# Altium PCB Controller_PCB.PcbDoc (part 2 of 3) (continued)
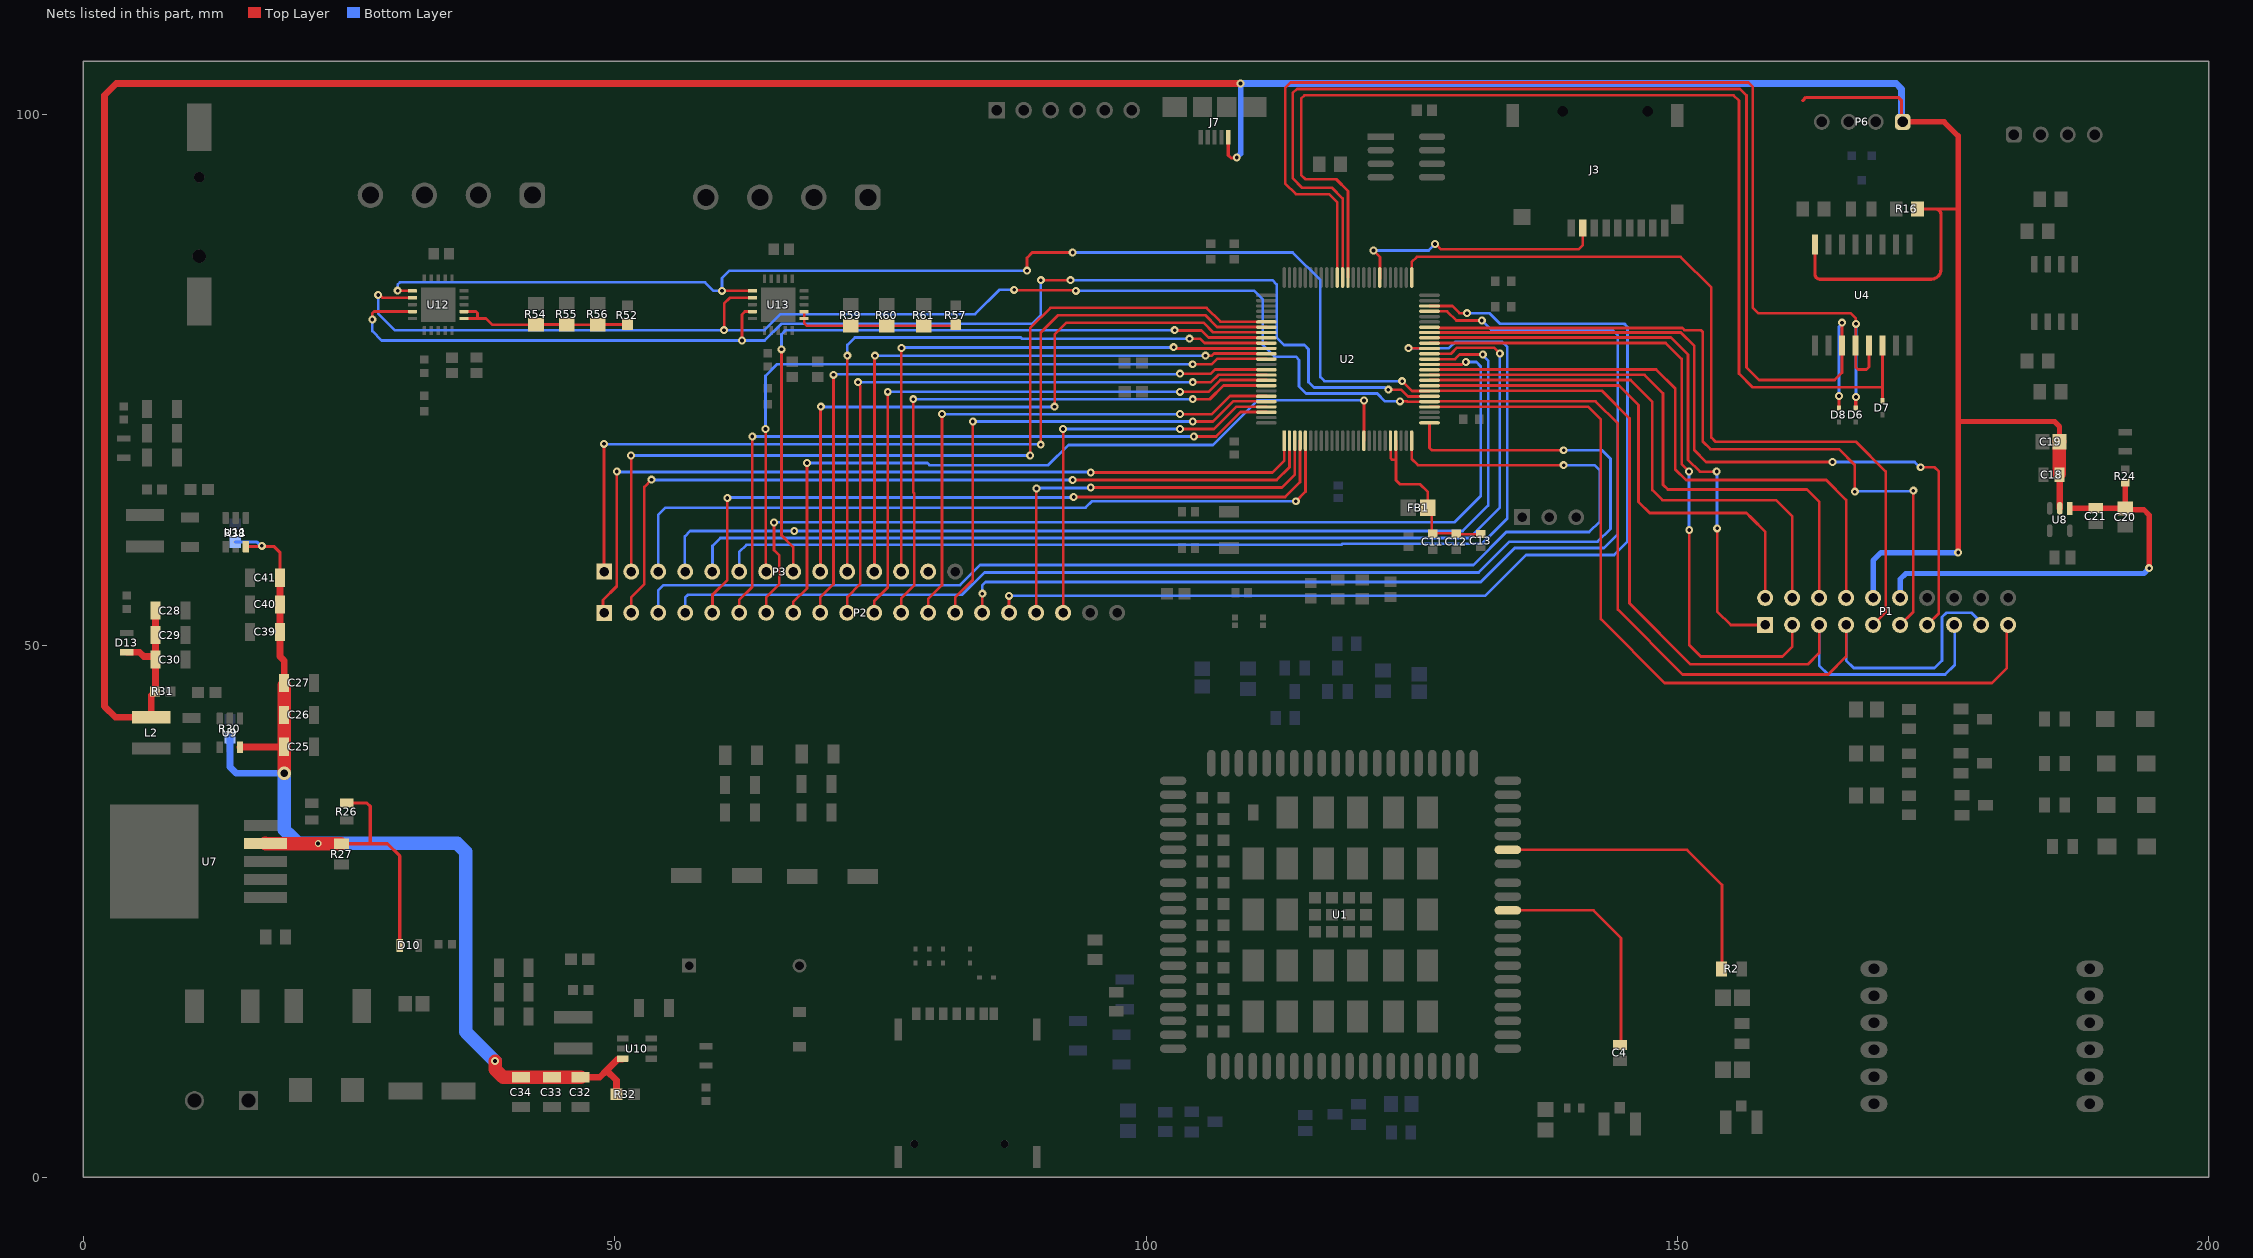
[diagram p2: the nets of this part, all layers, seen from the top]
## Part data (continued)
R17: library part CMP-02407-007854-1, "RES Thick Film, 120Ω, 1%, 0.125W, 100ppm/°C, 0805", Case Code (Imperial)=0805, Case Code (Metric)=2012, Max Operating Temperature=155°C, Max Power Dissipation=125mW, Min Operating Temperature=-55°C, Package Quantity=10, Resistance=120R, Temperature Coefficient=100ppm/°C, Tolerance=1%, Voltage Rating=150V, Case/Package=0805, Composition="Thick Film", Contact Plating=Tin, Depth=1.25mm, Features="Automotive AEC-Q200", Height=0.45mm, Lead Free="Lead Free", Length=2mm, Military Standard=Not, Mount="Surface Mount", Number of Terminations=2, Packaging="Tape and Reel", Power Rating=125mW, Radiation Hardening=No, Termination=SMD/SMT, Voltage Rating (DC)=150V, Weight=0.000194oz, Width=1.25mm
R19 R20 R21 R22 R23: library part CMP-1568-00001-1, "General Puprose Chip Resistor, 4700 Ohm +/- 1%, 0.125 W, -55 to 155 degC, 2-Pin SMD, RoHS, Tape and Reel", Power="0.125 W", Resistance=4.7K, Temperature Max="155 degC", Temperature Min="-55 degC", Tolerance="+/- 1%", ComponentLink1Description="Manufacturer URL", ComponentLink1URL=http://www.yageo.com/NewPortal/_en/index.jsp, ComponentLink2Description=Datasheet, ComponentLink2URL=http://www.yageo.com/documents/recent/PYu-RC_Group_51_RoHS_L-3.pdf, DatasheetVersion="Rev. 3", Mounting Technology="Surface Mount", PackageDescription="2-Pin Surface Mount Device, Body 2 x 1.25 mm", Packing="Tape and Reel", PartNumber=RC0805FR-074K7L, RoHS=TRUE
R24 R29 R35 R37 R41: library part CMP-03211-006828-1, "CRGCQ 0603 1K0 5%", Ambient Temperature Range High=+70°C, Manufacturer="TE Connectivity", Package=CRGCQ0603, Power Rating=0.1W, Resistance=1KΩ, Temperature="-55°C to +155°C", Temperature Coefficient=±100ppm/°C, Temperature Range High=+155°C, Temperature Range Low=-55°C, Tolerance=0.05, Voltage Rating=75V, Category=Res, ComponentLink2Description=Datasheet, ComponentLink2URL=https://www.te.com/commerce/DocumentDelivery/DDEController?Action=showdoc&DocId=Data+Sheet%7F1773204-3%7F1%7Fpdf%7FEnglish%7FENG_DS_1773204-3_1.pdf%7F4-2176339-695, Composition="Thick Film", Device Class L1="Passive Components", Device Class L2=Resistors, Device Class L3="Chip SMD Resistors", Digikey Description="CRGCQ 0603 1K0 5%", Height=0.55mm, Ipc Land Pattern Name=RESC16080X45, Lead Free=Yes, Manufacturer Part Number=CRGCQ0603J1K0, Octopart=https://octopart.com/crgcq0603j1k0-te+connectivity-91018104, RoHS=TRUE, Series=CRGCQ
R25 R51: library part CMP-2001-03993-1, Manufacturer="Vishay Dale", Part Number=CRCW080551K0FKEA
R26: library part CMP-2100-03668-5, "RES 100K OHM 1% 1/8W 0805", Case Code (Imperial)=0805, Case Code (Metric)=2012, Max Operating Temperature=155°C, Max Power Dissipation=125mW, Min Operating Temperature=-55°C, Package Quantity=1, Resistance=20K, Resistance Tolerance=1%, Resistor Type="Thick Film", Temperature Coefficient=100ppm/°C, Voltage Rating=150V, Case/Package=0805, Construction=Rectangular, Depth=1.25mm, Features="Moisture Resistant", Height=0.024inch, Lead Free="Lead Free", Lead Pitch=0.4mm, Length=0.079inch, Military Standard=Not, Number of Pins=2, Number of Terminations=2, Packaging="Tape and Reel", Power Rating=125mW, RoHS Compliant=Yes, Series=RC, Size Code=0805, Technology="THICK FILM", Termination=SMD/SMT, Tolerance=1%, Voltage Rating (DC)=150V, Width=0.049inch
R27: library part CMP-2001-04210-2, "RES Thick Film, 470Ω, 5%, 0.5W, 200ppm/°C, 0805", Case Code (Imperial)=0805, Case Code (Metric)=2012, Max Operating Temperature=155°C, Max Power Dissipation=333mW, Min Operating Temperature=-55°C, Package Quantity=1, Power Rating=330mW, Resistance=470R, Temperature Coefficient=200ppm/°C, Tolerance=5%, Voltage Rating=150V, Case/Package=0805, Composition="Thick Film", Contact Plating=Tin, Features="Automotive AEC-Q200", Height=0.024inch, Lead Free="Lead Free", Length=0.079inch, Number of Terminations=2, Packaging="Tape and Reel", Radiation Hardening=No, Termination=SMD/SMT, Weight=0.000194oz, Width=1.2mm
R28: library part CMP-07231-004291-1, "Thick Film Chip Resistors 0805 47kΩ 0.125W 1% 100ppm/°C", Case Code (Imperial)=0805, Case Code (Metric)=2012, Max Operating Temperature=155°C, Min Operating Temperature=-55°C, Package Quantity=5000, Power Rating=125mW, Temperature Coefficient=100ppm/°C, Tolerance=1%, Voltage Rating=150V, Case/Package=0805, Composition="Thick Film", Contact Plating=Tin, Depth=1.25mm, Height=0.5mm, Length=2mm, Military Standard=Not, Mount="Surface Mount", Number of Pins=2, Packaging="Tape and Reel", Radiation Hardening=No, REACH SVHC="No SVHC", Termination=SMD/SMT, Thickness=508um, Voltage Rating (DC)=150V, Width=1.25mm
R31: library part CMP-03613-000206-1, "RES Thick Film, 32.4kΩ, 1%, 0.1W, 50ppm/°C, 0603", Case/Package=0603, Max Operating Temperature=155°C, Max Power Dissipation=100mW, Min Operating Temperature=-55°C, Package Quantity=5000, Resistance=54.9K, Resistor Type="Thick Film", Temperature Coefficient=50ppm/°C, Tolerance=1%, Features="Automotive AEC-Q200", Height=0.02inch, Length=0.061inch, Number of Terminations=2, Packaging="Tape and Reel", RoHS Compliant=Yes, Series=CRCW-P, Width=0.033inch
R33: library part CMP-03613-000206-1, "RES Thick Film, 32.4kΩ, 1%, 0.1W, 50ppm/°C, 0603", Case/Package=0603, Max Operating Temperature=155°C, Max Power Dissipation=100mW, Min Operating Temperature=-55°C, Package Quantity=5000, Resistance=44.2K, Resistor Type="Thick Film", Temperature Coefficient=50ppm/°C, Tolerance=1%, Features="Automotive AEC-Q200", Height=0.02inch, Length=0.061inch, Number of Terminations=2, Packaging="Tape and Reel", RoHS Compliant=Yes, Series=CRCW-P, Width=0.033inch
R39: library part CMP-03613-000206-1, "RES Thick Film, 32.4kΩ, 1%, 0.1W, 50ppm/°C, 0603", Case/Package=0603, Max Operating Temperature=155°C, Max Power Dissipation=100mW, Min Operating Temperature=-55°C, Package Quantity=5000, Resistance=33.2kR, Resistor Type="Thick Film", Temperature Coefficient=50ppm/°C, Tolerance=1%, Features="Automotive AEC-Q200", Height=0.02inch, Length=0.061inch, Number of Terminations=2, Packaging="Tape and Reel", RoHS Compliant=Yes, Series=CRCW-P, Width=0.033inch
R52 R57: library part CMP-03412-043768-1, "RES 10MΩ 5.00% 0.1W 0603", Case Code (Imperial)=0603, Case Code (Metric)=1608, Max Operating Temperature=155°C, Max Power Dissipation=100mW, Min Operating Temperature=-55°C, Ratings=AEC-Q200, Resistance=10MR, Resistor Type="Thick Film", Temperature Coefficient=100ppm/°C, Tolerance=5%, Voltage Rating=50V, Case/Package=0603, Features="Moisture Resistant", Height=0.45mm, Length=1.6mm, Number of Terminations=2, Packaging="Tape and Reel", Power Rating=100mW, RoHS Compliant=Yes, Series=AC, Termination=SMD/SMT, Weight=7.1E-05oz, Width=0.8mm
R53 R58: library part CMP-03211-000516-1, "CRGCQ 0603 1K2 1%", Ambient Temperature Range High=+70°C, Manufacturer="TE Connectivity", Package=CRGCQ0603, Power Rating=0.1W, Resistance=1.2KΩ, Temperature="-55°C to +155°C", Temperature Coefficient=±100ppm/°C, Temperature Range High=+155°C, Temperature Range Low=-55°C, Tolerance=0.01, Voltage Rating=75V, Category=Res, ComponentLink2Description=Datasheet, ComponentLink2URL=https://www.te.com/commerce/DocumentDelivery/DDEController?Action=showdoc&DocId=Data+Sheet%7F1773204-3%7F1%7Fpdf%7FEnglish%7FENG_DS_1773204-3_1.pdf%7F4-2176339-710, Composition="Thick Film", Device Class L1="Passive Components", Device Class L2=Resistors, Device Class L3="Chip SMD Resistors", Digikey Description="CRGCQ 0603 1K2 1%", Height=0.55mm, Ipc Land Pattern Name=RESC16080X45, Lead Free=Yes, Manufacturer Part Number=CRGCQ0603F1K2, Octopart=https://octopart.com/crgcq0603f1k2-te+connectivity-91018051, RoHS=TRUE, Series=CRGCQ
R54 R55 R56 R59 R60 R61: library part CMP-08839-006492-1, "35.7Ω ±1% 0.4W 0805 Anti-Surge Chip Resistor AEC-Q200", Case/Package=0805, Max Operating Temperature=155°C, Max Power Dissipation=400mW, Min Operating Temperature=-55°C, Package Quantity=5000, Resistance=35.7R, Resistor Type="Thick Film", Temperature Coefficient=100ppm/°C, Tolerance=1%, Features="Automotive AEC-Q200", Height=0.026inch, Length=0.079inch, Number of Terminations=2, Packaging="Tape and Reel", RoHS Compliant=Yes, Series=ESR10, Width=0.049inch
SW1: library part CMP-05618-000013-1, "SWITCH TACTILE SPST-NO 0.02A 15V", Contact Current Rating=20mA, Contact Resistance=500mΩ, Manufacturer=Panasonic, Operating Force=1.6N, Package=0, Temperature="-40°C to +85°C", Temperature Range High=+85°C, Temperature Range Low=-40°C, Voltage Rating Dc=15V, Automotive=No, Category=Switch, ComponentLink2Description=Datasheet, ComponentLink2URL=https://www3.panasonic.biz/ac/e_download/control/switch/light-touch/catalog/sw_lt_eng_2616s.pdf?f_cd=402266&via=ok, Device Class L1=Electromechanical, Device Class L2=Switches, Device Class L3="Tactile Switches", Digikey Description="SWITCH TACTILE SPST-NO 0.02A 15V", Electromechanical Life=500000Cycles, Height=0.63mm, Lead Free=Yes, Manufacturer Part Number=EVP-BB2A9B000, Mount="Surface Mount", Octopart=https://octopart.com/evp-bb2a9b000-panasonic-75477754, RoHS=TRUE, Standoff Height=0.025mm, Throw Configuration=SPST-NO
U1: Package=None, Availability=Unavailable, MP=EC200U, Price=None
U2: library part CMP-0243-00017-5, Ambient Temperature Range High=85°C, Case/Package=LQFP, Frequency=168MHz, Manufacturer Package Identifier=1L_ME_V5, Max Junction Temperature (Tj)=125°C, Max Supply Voltage=3.6V, Min Operating Temperature=-40°C, Min Supply Voltage=1.8V, Nominal Supply Current=1.7µA, Address Bus Width=32b, Core Architecture="ARM Cortex-M4", Data Bus Width=32b, Flash Memory Size=1MB, Height=1.45mm, Interface="CAN, Ethernet, I2C, I2S, IrDA, LIN, SPI, UART, USART, USB", Lead Free="Lead Free", Length=14.2mm, Lifecycle Status=Production, Max Frequency=168MHz, Max Operating Temperature=85°C, Memory Size=1MB, Memory Type=FLASH, NexarPartId=20570110, Number of A/D Converters=3, Number of ADC Channels=16, Number of Channels=16, Number of D/A Converters=2, Number of Ethernet Channels=1, Number of I2C Channels=3, Number of I/Os=82, Number of Pins=100, Number of Programmable I/O=82, Number of PWM Channels=2, Number of SPI Channels=3, Number of Timers/Counters=14, Number of UART Channels=2, Number of USART Channels=4, Number of USB Channels=1, Oscillator Type=Internal, Peripherals="Brown-out Detect/Reset, DMA, I2C, LCD, POR, PWM, WDT", Radiation Hardening=No, RAM Size=192kB, REACH SVHC="No SVHC", RoHS=Compliant, Schedule B="8542310000, 8542310000", Watchdog Timer=Yes, Width=14.2mm
U3: library part W5500
U4: library part CMP-0316-00040-2, "Isolated RS-485 Transceiver, 20 Mbps, 5 V, Half Duplex, -40 to 85 degC, 16-pin SOIC (DW)", Drivers Per Package=1, Manufacturer="Texas Instruments", Rating=Catalog, Supply Voltage(s)(V)=5, # of TX/RX="1 TX / 1 RX", Code_JEDEC=MS-013-AA, Common Mode Range="-7 to 12", ComponentLink1Description=Datasheet, ComponentLink1URL=http://www.ti.com/general/docs/lit/getliterature.tsp?genericPartNumber=ISO3088&fileType=pdf, ComponentLink2Description="Package Specification", ComponentLink2URL=http://www.ti.com/litv/pdf/msoi003g, DatasheetVersion=SLOS581E, Duplex=Half, Eco-Plan=TBD, ESD(kV)=16, Fail Safe="Idle, Open, Short", Fault Protection(V)="-9 to 14", ICC(Max)(mA)=15, Isolated=Yes, Mounting Technology="Surface Mount", Number of Nodes=256, PackageDescription="16-Pin Small Outline Integrated Circuit, 10.3 x 7.5 mm, Pitch 1.27 mm Pitch", PackageReference=DW0016B, PackageVersion="revG, Jan-2011", PartNumber=ISO3088DWR, Receivers Per Package=1, Signaling Rate(Mbps)=20, SubFamily=RS-485
U5: library part CMP-04881-000005-1, "IC TRNSLTR BIDIRECTIONAL 8SOIC", Case/Package=SOIC, Input Capacitance=8pF, Max Frequency=400kHz, Max Operating Temperature=85°C, Max Supply Voltage=5.5V, Min Operating Temperature=-40°C, Min Supply Voltage=900mV, Package Quantity=2500, Channel Type=Bidirectional, Contact Plating=Gold, Interface=I2C, Lead Free="Lead Free", Logic Function=Translator, Mount="Surface Mount", Number of Bits=2, Number of Channels=2, Number of Circuits=1, Number of Outputs=2, Number of Pins=8, Output Type=Voltage, Packaging="Tape and Reel", Propagation Delay=110ns, Radiation Hardening=No, REACH SVHC="No SVHC", Turn-On Delay Time=141ns
U6: library part CMP-78876-000009-2, "IC FLASH 16MBIT SPI/QUAD 8SOIC", Ambient Temperature Range High=85°C, Max Supply Voltage=3.6V, Min Operating Temperature=-40°C, Min Supply Voltage=2.7V, Access Time=5ms, Height=1.75mm, Interface=SPI, Max Operating Temperature=85°C, Memory Size=2MB, Memory Type=FLASH, NexarPartId=75645707, RoHS=Non-Compliant, Schedule B="8542320070, 8542320070"
U7: library part CMP-06324-000007-1, "IC REG LINEAR POS ADJ 3A TO263-5", Dropout Voltage=370mV, Manufacturer=Microchip, Max Junction Temp=+125°C, Max Supply Voltage=26V, Min Supply Voltage=2.25V, Nominal Supply Current=10-37mA, Output Current=3A, Output Voltage=3.3-12V, Package=C04-012, Temperature="-40°C to +125°C", Temperature Range Low=-40°C, Accuracy Percentage=1%, Automotive=No, Category=IC, ComponentLink2Description=Datasheet, ComponentLink2URL=http://ww1.microchip.com/downloads/en/DeviceDoc/MIC2915x-30x-50x-75x-High-Current-Low-Dropout-Regulators-DS20005685B.pdf, Device Class L1="Integrated Circuits (ICs)", Device Class L2="Power Management ICs", Device Class L3="Voltage Regulators - Linear", Digikey Description="IC REG LINEAR POS ADJ 3A TO263-5", Height=0.2inch, Lead Free=Yes, Manufacturer Part Number=MIC29302WU-TR, Mouser Description="LDO Voltage Regulators", Number of Outputs=1, Octopart=https://octopart.com/mic29302wu-tr-microchip-66801318, Output Type=AdjustableProgrammable, RoHS=TRUE, Standoff Height=0mm, Temperature Range High=+125°C
U8: library part CMP-0391-00019-3, "IC REG CHARG PUMP INV 60MA SOT23", Case/Package=SOT-23-5, Max Input Voltage=5.25V, Max Operating Temperature=85°C, Max Output Current=60mA, Max Output Voltage=-5.25V, Min Input Voltage=1.8V, Min Operating Temperature=-40°C, Min Output Voltage=-1.6V, Operating Supply Current=125uA, Package Quantity=3000, Switching Frequency=250kHz, Contact Plating=Gold, Lead Free="Lead Free", Logic Function=Inverting, Max Supply Voltage=5.25V, Min Supply Voltage=1.8V, Number of Outputs=1, Number of Pins=5, Output Current=60mA, Output Type=Adjustable, Output Voltage=-5.25V, Packaging="Tape and Reel", Quiescent Current=125uA, Radiation Hardening=No, REACH SVHC="No SVHC", Synchronous Rectifier=No, Weight=0.000459oz
U9 U10 U11: library part CMP-04918-000155-1, "IC REG BUCK ADJ 3A TSOT23-6", Case/Package=SOT-23-6, Max Input Voltage=17V, Max Operating Temperature=125°C, Max Output Current=3A, Max Output Voltage=7V, Min Input Voltage=4.5V, Min Operating Temperature=-40°C, Min Output Voltage=760mV, Quiescent Current=190uA, Switching Frequency=650kHz, Contact Plating=Tin, Lead Free="Lead Free", Mount="Surface Mount", Number of Outputs=1, Operating Supply Voltage=17V, Output Configuration=Positive, Output Current=3A, Output Type=Adjustable, Output Voltage=7V, Packaging="Tape and Reel", Radiation Hardening=No, Synchronous Rectifier=Yes
U12 U13: "RTD-to-Digital Converter", Package="QFN-20 Maxim", Check_prices=https://www.snapeda.com/parts/MAX31865ATP+/Analog+Devices/view-part/?ref=eda, MF="Analog Devices", MP=MAX31865ATP+, SnapEDA_Link=https://www.snapeda.com/parts/MAX31865ATP+/Analog+Devices/view-part/?ref=snap
Y1: library part CMP-27762-001275-1, "Crystal 25MHz ±20ppm 18pF SMD-4 3.2mm x 2.5mm", Case/Package=SMD/SMT, ESR (Equivalent Series Resistance)=50R, Frequency=25MHz, Frequency Stability=50ppm, Frequency Tolerance=20ppm, Load Capacitance=18pF, Max Operating Temperature=70°C, Min Operating Temperature=-20°C, Height=0.031inch, Length=0.126inch, Mount="Surface Mount", Packaging="Tape and Reel", Series=ABM8, Width=0.098inch
Y2: library part CMP-27762-005385-1, "CRYSTAL 32.7680KHZ 12.5PF SMD", Case/Package=CSMD, ESR (Equivalent Series Resistance)=70kR, Frequency=32.768kHz, Frequency Tolerance=10ppm, Load Capacitance=12.5pF, Max Operating Temperature=85°C, Min Operating Temperature=-40°C, Operating Frequency="32.768 kHz", Package Quantity=3000, Depth=1.5mm, Height=0.035inch, Lead Free="Lead Free", Length=4.1mm, Mount="Surface Mount", Number of Pins=2, Packaging="Tape and Reel", RoHS Compliant=Yes, Series=ABS09, Series Resistance=70kR, Termination=SMD/SMT, Tolerance=10ppm, Width=1.5mm

## Via types
v1: diameter 0.75, hole 0.35, Top Layer to Bottom Layer, 205 vias
v2: diameter 0.635, hole 0.381, Top Layer to Bottom Layer, 59 vias
v3: diameter 1.5, hole 0.8, Top Layer to Bottom Layer, 8 vias
v4: diameter 1.27, hole 0.711, Top Layer to Bottom Layer, 2 vias

## Nets (pads, with @x,y where several pads share a name; then routed paths per layer and width w, separated by ;. In a path a pad name is that pad's centre, name@x,y a point inside that pad or via, vN(x,y) a via of type N, cw(c..) or ccw(c..) an arc to the next point about the centre after c; other vN are vias at no path point)
485_CTRL: D6.1 U2.65 U4.4 U4.5 | length 112.9
  Top Layer w0.254: U2.65@118,84.651 118,91.7 117.2,92.5 114.1,92.5 113.1,93.5 113.1,102.5 113.6,103 156.7,103 157.1,102.6 157.1,81.8 157.6,81.3 166.3,81.3 166.8,80.8 v1(166.8,80.3) U4.4@166.8,78.3 ; U4.4@166.8,78.2 166.8,76.2 167,76 167.8,76 168.035,76.235 U4.5@168.035,78.25
  Top Layer w0.305: D6.1@166.797,72.331 D6.1@166.797,72.391 166.797,72.515 v1@166.797,73.397
  Bottom Layer w0.305: v1(166.8,73.4) v1(166.8,80.3)
485_DI: D7.1 U2.63 U4.6 | length 106.9
  Top Layer w0.254: U2.63@119,84.651 119,92.8 117.9,93.9 115,93.9 114.6,94.3 114.6,101.5 114.9,101.8 155.3,101.8 155.8,101.3 155.8,75.6 157.071,74.329 169.229,74.329 169.302,74.403
  Top Layer w0.305: D7.1@169.3,73.06 169.302,73.063 169.302,74.329 U4.6@169.302,78.298
485_RO: D8.1 U2.64 U4.3 | length 112.3
  Top Layer w0.254: U2.64@118.5,84.651 118.5,92.1 117.5,93.1 114.7,93.1 113.8,94 113.8,102 114.2,102.4 155.9,102.4 156.5,101.8 156.5,76.2 157.7,75 164.8,75 165.5,75.7 U4.3@165.5,78.2
  Top Layer w0.305: v1(165.2,73.5) 165.2,72.4 D8.1@165.21,72.391 ; U4.3@165.5,78.2 165.497,78.203 165.497,80.397 v1(165.5,80.4)
  Bottom Layer w0.305: v1(165.2,73.5) 165.2,79.98 165.5,80.28 v1(165.5,80.4)
+5: C18.1 C19.1 C28.2 C29.2 C30.2 D13.1 J7.1 L2.2 P1.10 P6.1 R16.2 R31.2 U4.16 U8.2 | length 369
  Top Layer w0.305: J7.1@107.75,97.85 107.75,96.15 108,95.9 v1@108.5,95.9 ; 161.8,101.3 162.1,101.6 170.8,101.6 171.1,101.3 171.1,99.5 P6.1@171.2,99.4 ; U4.16@162.955,87.75 162.955,84.945 ccw(c163.4,84.945) 163.4,84.5 173.9,84.5 ccw(c173.9,85.4) 174.8,85.4 174.8,90.6 ccw(c174.3,90.6) 174.3,91.1 ; R16.2@172.6,91.1 174.3,91.1 ; 176.422,91.2 cw(c176.322,91.2) 176.322,91.1 174.3,91.1
  Top Layer w0.508: v1@108.492,95.999 v1(108.539,95.953) ; P6.1@171.21,99.3 175.1,99.3 176.422,97.978 176.422,91.2 v1(176.422,58.771) ; 176.5,71.1 185.5,71.1 185.962,70.638 C19.1@185.962,69.2
  Top Layer w0.635: D13.1@4.1,49.4 4.118,49.382 5.318,49.382 5.7,49 6.643,49 6.8,48.843 C30.2@6.8,48.7 ; C28.2@6.8,53.3 C29.2@6.8,51 C30.2@6.8,48.7 ; v1(108.9,102.9) 3.1,102.9 2,101.8 2,44.3 3.025,43.275 L2.2@6.4,43.275 6.4,45.317 6.783,45.7 6.8,45.7 6.785,45.715 6.785,48.685 C30.2@6.8,48.7 ; C18.1@185.956,66.1 185.972,66.084 185.972,62.946 U8.2@185.988,62.93 ; C19.1@185.956,69.2 C19.1@185.959,69.203
  Top Layer w1.27: C18.1@185.956,66.2 185.956,69.194 C19.1@185.962,69.2
  Bottom Layer w0.508: v1(108.539,95.953) 108.9,96.315 v1(108.9,102.9) ; P1.10@168.4,54.5 168.42,54.52 168.42,58.02 169.171,58.771 v1(176.422,58.771)
  Bottom Layer w0.635: v1(108.9,102.9) 170.6,102.9 171.1,102.4 171.1,99.5 P6.1@171.2,99.4
+12: C25.1 C26.1 C27.1 C32.1 C33.1 C34.1 C39.1 C40.1 C41.1 D10.1 R26.2 R27.2 R30.2 R32.2 R38.2 U7.4 U9.3 U10.3 U11.3 | length 126.9
  Top Layer w0.305: U11.3@15.3,59.331 17.969,59.331 18.5,58.8 C41.1@18.5,56.4 ; R27.2@24.3,31.375 27,31.375 ; R26.2@24.8,35.202 26.698,35.202 27,34.9 27,31.375 ; D10.1@29.773,21.8 29.773,30.227 28.625,31.375 27,31.375 ; U10.3@50.7,11.1 U10.3@50.75,11.15
  Top Layer w0.635: U9.3@14.75,40.45 14.75,40.458 14.768,40.475 18.875,40.475 C25.1@18.9,40.5 ; C39.1@18.4,51.3 18.5,51.4 C40.1@18.5,53.9 ; C40.1@18.4,53.8 C40.1@18.5,53.9 ; C39.1@18.5,51.3 18.5,49 18.9,48.6 C27.1@18.9,46.5 C27.1@18.9,46.285 ; C41.1@18.5,56.4 C40.1@18.5,53.9 ; C32.1@46.8,9.4 48.6,9.4 49.25,10.05 ; R32.2@50.185,7.8 50.185,9.115 49.25,10.05 ; U10.3@50.7,11.1 50.3,11.1 49.25,10.05
  Top Layer w1.27: U7.4@17.137,31.402 17.151,31.388 R27.2@24.21,31.388 ; v4(18.9,38) C25.1@18.9,40.285 ; C25.1@18.9,40.5 C26.1@18.9,43.5 C27.1@18.9,46.285 ; v1(38.743,10.919) 38.743,10.157 39,9.9 39.5,9.4 C34.1@41.2,9.4 C33.1@44.1,9.4 ; C33.1@44.315,9.4 C32.1@46.8,9.4
  Bottom Layer w0.305: R38.2@14.31,59.776 16.304,59.776 16.68,59.4 v1(16.8,59.4)
  Bottom Layer w0.635: R30.2@13.8,41.385 13.8,38.6 14.4,38 18.8,38 v4@18.9,37.9
  Bottom Layer w1.27: v4@18.9,37.9 18.9,32.7 19.5,32.1 19.501,32.099 20.2,31.4 v2(22.1,31.4) 35.2,31.4 36,30.6 36,13.662 v1(38.743,10.919)
+24VDC: P3.13
-5: C20.1 C21.1 P1.12 R24.2 U8.1 | length 40.9
  Top Layer w0.508: U8.1@186.938,62.93 186.948,62.94 189.316,62.94 C21.1@189.356,62.9 ; C21.1@189.356,62.95 189.378,62.928 192.128,62.928 192.156,62.9 C20.1@192.156,62.906 R24.2@192.156,65.346 ; C20.1@192.1,62.9 192.2,62.8 193.9,62.8 194.4,62.3 v1(194.4,57.3)
  Bottom Layer w0.508: P1.12@170.96,54.5 170.96,56.26 171.5,56.8 193.9,56.8 v1(194.4,57.3)
A_IOUT_CS: P1.9 U2.51 | length 77.8
  Top Layer w0.254: U2.51@125,84.651 125,86.1 125.5,86.6 150.3,86.6 153.2,83.7 153.2,69.6 153.6,69.2 166.8,69.2 169.6,66.4 169.6,53.14 P1.9@168.42,51.96
A_IOUT_LDAC: P1.3 U2.41 | length 64
  Top Layer w0.254: U2.41@126.7,78.5 148.9,78.5 150.4,77 150.4,67.1 v1(151.1,66.4) ; v1(151.119,60.899) 151.119,50.081 152.2,49 159.9,49 160.8,49.9 160.8,51.6 P1.3@161,51.8
  Bottom Layer w0.254: v1(151.1,66.4) 151.1,60.917 v1(151.119,60.899)
A_IOUT_SHDN: P1.1 U2.42 | length 56.4
  Top Layer w0.254: U2.42@126.6,79 149.4,79 151,77.4 151,67.5 152.118,66.382 153.682,66.382 v1(153.7,66.4) ; v1(153.746,61.054) 153.746,53.241 155.028,51.96 P1.1@158.26,51.96
  Bottom Layer w0.254: v1(153.7,66.4) 153.723,66.377 153.723,61.078 v1(153.746,61.054)
A_OUT_MISO: U2.31 U12.14 U13.14 | length 122.5
  Top Layer w0.254: v1(27.2,80.7) 27.2,81.3 27.35,81.45 U12.14@30.965,81.45 ; v1(61.978,78.719) 61.978,81.178 62.25,81.45 U13.14@62.965,81.45 ; v1(90.1,84.4) v1(92.9,84.4) ; v1(122.8,74.1) 124.01,74.1 124.646,73.464 126.664,73.464 U2.31@126.675,73.475
  Bottom Layer w0.254: v1(27.2,80.7) 27.2,79.6 28.081,78.719 v1(61.978,78.719) 64.119,78.719 65.7,80.3 89.3,80.3 90.1,81.1 v1(90.1,84.4) ; v1(92.9,84.4) 111.9,84.4 112.3,84 112.3,79 113,78.3 114.9,78.3 115.3,77.9 115.3,74.8 115.8,74.3 122.466,74.3 122.666,74.1 v1(122.8,74.1)
A_OUT_MOSI: P1.5 P1.15 U2.32 U12.11 U13.11 | length 197.5
  Top Layer w0.254: v1(29.579,83.411) 29.59,83.4 U12.11@30.965,83.4 ; v1(60.1,83.4) U13.11@62.965,83.4 ; v1(88.8,85.3) 88.8,86.501 89.299,87 v1(93.1,87) ; v1(124.1,74.9) 125.025,73.975 126.651,73.975 126.675,74 142.9,74 145.5,71.4 145.5,54 151.244,48.256 162.271,48.256 163.34,49.325 P1.5@163.34,51.96
  Bottom Layer w0.254: v1(29.579,83.411) 29.579,83.979 29.8,84.2 58.5,84.2 59.3,83.4 v1(60.1,83.4) 60.1,84.6 60.8,85.3 v1(88.8,85.3) ; v1(93.1,87) 113.8,87 116.4,84.4 116.4,75.3 116.8,74.9 v1(124.1,74.9) ; P1.5@163.34,51.96 163.34,48.16 164.2,47.3 175.2,47.3 176.1,48.2 P1.15@176.1,51.8
A_OUT_SCLK: P1.7 P1.17 U2.30 U12.12 U13.12 | length 205.3
  Top Layer w0.254: v1(27.753,82.999) 27.887,82.999 28.136,82.75 U12.12@30.965,82.75 ; v1(60.3,79.7) 60.3,82.2 60.85,82.75 U13.12@62.965,82.75 ; v1(87.6,83.5) 87.65,83.45 93.35,83.45 v1(93.4,83.4) ; v1(123.9,73) 124.572,73 124.596,72.975 U2.30@126.675,72.975 126.7,73 142.3,73 144.4,70.9 144.4,53.4 150.5,47.3 164.2,47.3 165.88,48.98 P1.7@165.88,51.96
  Bottom Layer w0.254: v1(27.753,82.999) 27.753,81.247 29.3,79.7 v1(60.3,79.7) 64.1,79.7 65.6,81.2 83.9,81.2 86.2,83.5 v1(87.6,83.5) ; v1(93.4,83.4) 110.2,83.4 111,82.6 111,78.3 112.1,77.2 114.1,77.2 114.4,76.9 114.4,74.4 115.059,73.741 121.759,73.741 122.5,73 v1(123.9,73) ; P1.7@165.88,51.96 165.88,48.62 166.6,47.9 174.2,47.9 174.9,48.6 174.9,52.7 175.3,53.1 177.7,53.1 178.7,52.1 P1.17@178.7,52
A_VOUT_CS: P1.19 U2.29 | length 80.7
  Top Layer w0.254: U2.29@126.7,72.5 141.6,72.5 142.8,71.3 142.8,52.5 148.8,46.5 179.6,46.5 181,47.9 181,51.7 P1.19@181.2,51.9
A_VOUT_LDAC: P1.13 U2.43 | length 73.9
  Top Layer w0.254: U2.43@126.675,79.475 150.32,79.475 151.6,78.195 151.6,68.4 152.7,67.3 v1(164.6,67.3) ; v1(172.9,66.8) 174.2,66.8 174.6,66.4 174.6,53.06 173.6,52.06 P1.13@173.6,52
  Bottom Layer w0.254: v1(164.6,67.3) 172.331,67.3 172.831,66.8 v1(172.9,66.8)
A_VOUT_SHDN: P1.11 U2.44 | length 72.6
  Top Layer w0.254: U2.44@126.675,79.975 127.513,79.975 127.577,79.911 150.459,79.911 150.67,79.7 152.2,79.7 152.4,79.5 152.4,69.2 153.1,68.5 165.19,68.5 166.7,66.99 v1(166.7,64.5) ; P1.11@170.96,51.96 172.2,53.2 v1(172.2,64.6)
  Bottom Layer w0.254: v1(166.7,64.5) 166.75,64.55 172.15,64.55 v1(172.2,64.6)
ANALOG_INPUT1: P1.2 U2.33 | length 48.7
  Top Layer w0.254: U2.33@126.8,74.5 144.5,74.5 146.35,72.65 146.35,63.55 147.4,62.5 156.5,62.5 157,62 158.26,60.74 P1.2@158.26,54.5
ANALOG_INPUT2: P1.4 U2.34 | length 52
  Top Layer w0.254: U2.34@126.7,75 145.6,75 147.65,72.95 147.65,64.65 148.6,63.7 159.3,63.7 160.8,62.2 P1.4@160.8,54.5
ANALOG_INPUT3: P1.6 U2.35 | length 55.7
  Top Layer w0.254: U2.35@126.7,75.5 146.9,75.5 148.65,73.75 148.65,65.15 149.1,64.7 162.2,64.7 163.34,63.56 P1.6@163.34,54.5
ANALOG_INPUT4: P1.8 U2.36 | length 57.9
  Top Layer w0.254: U2.36@126.7,76 148,76 149.8,74.2 149.8,66.6 150.809,65.591 164.009,65.591 165.88,63.72 P1.8@165.88,54.5
ANT_GNSS: C4.1 U1.47 | length 21.6
  Top Layer w0.254: U1.47@134.05,25.1 142.1,25.1 144.7,22.5 C4.1@144.7,12.6
ANT_MAIN: R2.2 U1.49 | length 29.6
  Top Layer w0.254: U1.49@134.05,30.8 150.9,30.8 154.2,27.5 R2.2@154.2,19.4
AVDD33: C11.1 C12.1 C13.1 FB1.2 U2.21 U2.22 | length 18.4
  Top Layer w0.254: U2.21@123.025,69.325 123.025,67.649 123.173,67.5 123.5,67.5 ; U2.22@123.525,69.325 123.525,65.575 123.9,65.2 125.8,65.2 126.5,64.5 FB1.2@126.5,63 ; FB1.2@126.526,63 126.9,62.626 C11.1@126.9,60.6 ; C11.1@126.7,60.6 C11.1@126.9,60.6 ; C12.1@129,60.7 C12.1@129.1,60.6 ; C13.1@131.5,60.5 129.2,60.5 C12.1@129.1,60.6 ; C11.1@126.9,60.6 C12.1@129.1,60.6
BIAS0: R52.1 R54.2 R55.2 R56.2 U12.1 U12.2 | length 17.4
  Top Layer w0.254: U12.1@35.835,80.8 37.1,80.8 ; U12.2@35.835,81.45 36.95,81.45 37.1,81.3 37.1,80.8 ; R54.2@42.6,80.2 38.5,80.2 37.9,80.8 37.1,80.8 ; R54.2@42.6,80.223 45.477,80.223 R55.2@45.5,80.2 ; R55.2@45.5,80.223 45.523,80.2 R56.2@48.3,80.2 ; R56.2@48.4,80.223 51.177,80.223 R52.1@51.2,80.2
BIAS1: R57.1 R59.2 R60.2 R61.2 U13.1 U13.2 | length 15.6
  Top Layer w0.254: U13.1@67.8,80.8 67.802,80.8 67.835,80.833 U13.2@67.835,81.45 ; U13.1@67.835,80.8 67.835,80.365 68.1,80.1 R59.2@72.2,80.1 ; R59.2@72.2,80.123 72.223,80.1 R60.2@75.6,80.1 ; R60.2@75.6,80.123 75.623,80.1 R61.2@79.1,80.1 ; R61.2@79.1,80.123 81.923,80.123 R57.1@82.1,80.3
CS_SD: J3.2 U2.57 | length 24.9
  Top Layer w0.254: v1(121.4,87.2) 122.025,86.576 122.025,84.675 122.025,84.525 U2.57@122,84.5 ; v1(127.2,87.8) 127.269,87.8 127.769,87.3 140.7,87.3 141.1,87.7 J3.2@141.1,89.3
  Bottom Layer w0.254: v1(121.4,87.2) 126.6,87.2 v1(127.2,87.8)
DIGITAL_INPUT1: P2.1 U2.1 | length 79
  Top Layer w0.254: P2.1@48.9,53.1 48.9,54.3 50.2,55.6 v1(50.2,66.4) ; v1(94.8,66.3) 111.9,66.3 113,67.4 U2.1@113,69.3
  Bottom Layer w0.254: v1(50.2,66.4) 50.25,66.35 94.75,66.35 v1(94.8,66.3)
DIGITAL_INPUT2: P2.2 U2.2 | length 76.4
  Top Layer w0.254: P2.2@51.5,53.1 51.56,53.16 51.56,54.56 52.8,55.8 52.8,64.96 v1(53.471,65.631) ; v1(93.1,65.6) 112.3,65.6 113.5,66.8 U2.2@113.5,69.3
  Bottom Layer w0.254: v1(53.471,65.631) 53.502,65.6 v1(93.1,65.6)
DIGITAL_INPUT3: P2.3 U2.25 | length 118.2
  Top Layer w0.254: U2.25@125,69.5 125,67.6 125.6,67 v1(139.3,67)
  Bottom Layer w0.254: P2.3@54.1,53.1 54.1,55.2 54.6,55.7 82.5,55.7 84.4,57.6 130.8,57.6 133.9,60.7 141.7,60.7 142.7,61.7 142.7,66.5 142.2,67 v1(139.3,67)
DIGITAL_INPUT4: P2.4 U2.26 | length 117.6
  Top Layer w0.254: U2.26@126.675,70.975 126.675,68.625 126.9,68.4 v1(139.3,68.4)
  Bottom Layer w0.254: P2.4@56.64,53.1 56.64,54.54 56.9,54.8 82.7,54.8 84.8,56.9 131.3,56.9 134.2,59.8 142.5,59.8 143.7,61 143.7,67.6 142.9,68.4 v1(139.3,68.4)
DIGITAL_INPUT5: P2.5 U2.4 | length 69.9
  Top Layer w0.254: P2.5@59.1,53 59.2,53.1 59.2,54.8 60.6,56.2 v1(60.6,63.9) ; v1(93.2,64) 113.1,64 114.5,65.4 U2.4@114.5,69.3
  Bottom Layer w0.254: v1(60.6,63.9) 60.65,63.95 93.15,63.95 v1(93.2,64)
DIGITAL_INPUT6: P2.6 U2.98 | length 66.5
  Top Layer w0.254: P2.6@61.7,53.1 61.72,53.12 61.72,54.32 62.952,55.552 v1(62.952,69.683) ; v1(104.5,69.7) 106.6,69.7 108.9,72 U2.98@111.349,72
  Bottom Layer w0.254: v1(62.952,69.683) 62.969,69.7 v1(104.5,69.7)
DIGITAL_INPUT7: P2.7 U2.37 | length 94.2
  Top Layer w0.254: P2.7@64.2,53 64.26,53.06 P2.7@64.26,53.1 64.26,54.56 65.5,55.8 65.5,58.5 65,59 v1(65,61.6) ; U2.37@126.675,76.475 129.741,76.475 129.966,76.7 v1(130.1,76.7)
  Bottom Layer w0.254: v1(65,61.6) 65.024,61.624 129.024,61.624 131.5,64.1 131.5,76.3 131.1,76.7 v1(130.1,76.7)
DIGITAL_INPUT8: P2.8 U2.16 | length 73.5
  Top Layer w0.254: P2.8@66.8,53 P2.8@66.8,53.1 66.8,54.1 68.1,55.4 v1(68.1,67.2) ; v1(120.513,73.087) 120.513,69.336 U2.16@120.525,69.325
  Bottom Layer w0.254: v1(68.1,67.2) 79.417,67.2 79.617,67 90.8,67 92.7,68.9 106.3,68.9 110.5,73.1 120.5,73.1 v1(120.513,73.087)
DIGITAL_INPUT9: P2.9 U2.90 | length 63.9
  Top Layer w0.254: P2.9@69.34,53.1 69.34,54.54 70.6,55.8 v1(70.6,75.5) ; v1(103.2,75.6) 106.1,75.6 106.5,76 U2.90@111.349,76
  Bottom Layer w0.254: v1(70.6,75.5) 70.65,75.55 103.15,75.55 v1(103.2,75.6)
DIGITAL_INPUT10: P2.10 U2.91 | length 61.1
  Top Layer w0.254: P2.10@71.9,53 71.9,54.6 73.1,55.8 73.1,74.466 72.9,74.666 v1(72.9,74.8) ; v1(104.4,74.8) 106.1,74.8 106.8,75.5 U2.91@111.349,75.5
  Bottom Layer w0.254: v1(72.9,74.8) v1(104.4,74.8)
DIGITAL_INPUT11: P2.11 U2.92 | length 57.4
  Top Layer w0.254: P2.11@74.4,53.1 74.431,53.131 74.431,54.231 75.7,55.5 v1(75.7,73.9) ; v1(103.2,73.9) 105.9,73.9 107,75 U2.92@111.349,75
  Bottom Layer w0.254: v1(75.7,73.9) v1(103.2,73.9)
DIGITAL_INPUT12: P2.12 U2.93 | length 54.5
  Top Layer w0.254: P2.12@76.9,53.1 76.96,53.16 76.96,54.46 78.2,55.7 78.2,64.333 78.1,64.433 v1(78.1,73.2) ; v1(104.4,73.2) 106,73.2 107.3,74.5 U2.93@111.349,74.5
  Bottom Layer w0.254: v1(78.1,73.2) v1(104.4,73.2)
DIGITAL_INPUT13: P2.13 U2.95 | length 50.6
  Top Layer w0.254: P2.13@79.5,53 P2.13@79.5,53.1 79.5,54.4 80.8,55.7 v1(80.8,71.8) ; v1(103.2,71.8) 106.2,71.8 107.9,73.5 U2.95@111.349,73.5
  Bottom Layer w0.254: v1(80.8,71.8) v1(103.2,71.8)
DIGITAL_INPUT14: P2.14 U2.96 | length 47.1
  Top Layer w0.254: P2.14@82.04,53.1 82.04,54.54 83.7,56.2 v1(83.7,71.1) ; v1(104.4,71.1) 106.3,71.1 108.2,73 U2.96@111.349,73
  Bottom Layer w0.254: v1(83.7,71.1) v1(104.4,71.1)
DIGITAL_INPUT15: P2.15 U2.47 | length 101.7
  Top Layer w0.254: P2.15@84.5,53.2 84.59,53.29 84.59,54.89 v1(84.6,54.9) ; U2.47@126.675,81.475 128.325,81.475 129.2,80.6 131.596,80.6 v1(131.6,80.604)
  Bottom Layer w0.254: v1(84.6,54.9) 84.6,55.7 84.9,56 131.5,56 134.7,59.2 143.1,59.2 144.4,60.5 144.4,79.2 143.9,79.7 132.504,79.7 v1(131.6,80.604)
DIGITAL_INPUT16: P2.16 U2.48 | length 101.6
  Top Layer w0.254: P2.16@87.1,53.1 87.11,53.11 87.11,54.69 v1(87.1,54.7) ; U2.48@126.675,81.975 128.825,81.975 129.5,81.3 v1(130.2,81.3)
  Bottom Layer w0.254: v1(87.1,54.7) 131.9,54.7 135.75,58.55 144.05,58.55 145.3,59.8 145.3,80 145.2,80.1 145,80.3 133.3,80.3 132.3,81.3 v1(130.2,81.3)
DIGITAL_INPUT17: P2.17 U2.3 | length 39.8
  Top Layer w0.254: P2.17@89.6,53.1 89.68,53.18 89.68,64.78 v1(89.7,64.8) ; v1(94.8,64.9) 112.8,64.9 114,66.1 U2.3@114,69.3
  Bottom Layer w0.254: v1(89.7,64.8) 89.75,64.85 94.75,64.85 v1(94.8,64.9)
DIGITAL_INPUT18: P2.18 U2.97 | length 37.3
  Top Layer w0.254: P2.18@92.1,53.2 92.2,53.3 v1(92.2,70.4) ; v1(103.2,70.4) 106.4,70.4 108.5,72.5 U2.97@111.349,72.5
  Bottom Layer w0.254: v1(92.2,70.4) v1(103.2,70.4)
DIGITAL_OUTPUT1: P3.6 U2.40 | length 103.4
  Top Layer w0.254: v1(124.7,78) 124.713,77.987 126.787,77.987 U2.40@126.8,78
  Bottom Layer w0.254: P3.6@61.72,56.979 61.72,58.82 62.4,59.5 118.4,59.5 118.5,59.6 131.6,59.6 134,62 134,78.1 133.5,78.6 129.1,78.6 128.5,78 v1(124.7,78)
DIGITAL_OUTPUT2: P3.5 U2.39 | length 99.7
  Top Layer w0.254: U2.39@126.675,77.475 128.675,77.475 129.254,78.054 132.734,78.054 133.289,77.5 v1(133.3,77.5)
  Bottom Layer w0.254: P3.5@59.2,56.9 59.2,59.4 59.946,60.146 130.446,60.146 133.3,63 v1(133.3,77.5)
DIGITAL_OUTPUT3: P3.4 U2.38 | length 99.8
  Top Layer w0.254: U2.38@126.675,76.975 129.075,76.975 129.5,77.4 v1(131.7,77.4)
  Bottom Layer w0.254: P3.4@56.6,56.9 56.6,60.3 57.1,60.8 129.8,60.8 132.2,63.2 132.2,76.831 131.7,77.331 v1(131.7,77.4)
  other v1: 66.9,60.8
DIGITAL_OUTPUT4: P3.3 U2.5 | length 71.9
  Top Layer w0.254: v1(114.1,63.6) 115,64.5 U2.5@115,69.3
  Bottom Layer w0.254: P3.3@54,57.1 54.1,57.2 54.1,62.3 54.8,63 94.3,63 94.9,63.6 v1(114.1,63.6)
DIGITAL_OUTPUT5: P3.2 U2.81 | length 84.1
  Top Layer w0.254: v1(51.546,67.898) 51.553,67.891 51.553,56.947 P3.2@51.6,56.9 ; v1(89.1,67.9) 89.1,79.9 91,81.8 105.7,81.8 107,80.5 U2.81@111.349,80.5
  Bottom Layer w0.254: v1(51.546,67.898) 51.548,67.9 v1(89.1,67.9)
DIGITAL_OUTPUT6: P3.1 U2.82 | length 86
  Top Layer w0.254: P3.1@48.9,57.1 49,57.2 v1(49,69) ; v1(90.097,68.92) 90.097,79.497 91.7,81.1 105.6,81.1 106.7,80 U2.82@111.349,80
  Bottom Layer w0.254: v1(49,69) 49.04,68.96 90.057,68.96 v1(90.097,68.92)
DIGITAL_OUTPUT7: P3.9 U2.83 | length 64.9
  Top Layer w0.254: P3.9@69.3,57.2 69.37,57.27 69.37,72.47 v1(69.4,72.5) ; v1(91.4,72.5) 91.4,79.3 92.5,80.4 105.4,80.4 106.3,79.5 U2.83@111.349,79.5
  Bottom Layer w0.254: v1(69.4,72.5) 69.429,72.471 91.371,72.471 v1(91.4,72.5)
DIGITAL_OUTPUT8: P3.8 U2.84 | length 68.8
  Top Layer w0.254: v1(65.7,77.9) 65.7,60.4 66.8,59.3 66.8,57.2 P3.8@66.7,57.1 ; v1(102.7,79.7) 102.731,79.669 105.231,79.669 105.9,79 U2.84@111.349,79
  Bottom Layer w0.254: v1(65.7,77.9) 65.7,79.3 66.1,79.7 v1(102.7,79.7)
DIGITAL_OUTPUT9: P3.10 U2.85 | length 61.3
  Top Layer w0.254: P3.10@71.88,56.979 71.9,56.999 v1(71.9,77.3) ; v1(104.1,78.9) 105.1,78.9 105.5,78.5 U2.85@111.349,78.5
  Bottom Layer w0.254: v1(71.9,77.3) 71.9,78.3 72.6,79 88.233,79 88.333,78.9 v1(104.1,78.9)
DIGITAL_OUTPUT10: P3.12 U2.86 | length 55.5
  Top Layer w0.254: P3.12@76.96,56.979 76.98,56.999 76.98,78.009 v1(77,78.029) ; v1(102.6,78.1) 102.734,78.1 102.859,77.975 U2.86@111.325,77.975 U2.86@111.349,78
  Bottom Layer w0.254: v1(77,78.029) 77.035,78.064 102.565,78.064 v1(102.6,78.1)
DIGITAL_OUTPUT11: P3.11 U2.87 | length 57.3
  Top Layer w0.254: P3.11@74.42,56.979 74.46,57.019 74.46,77.26 v1(74.5,77.3) ; v1(105.6,77.3) 106.2,77.3 106.4,77.5 U2.87@111.349,77.5
  Bottom Layer w0.254: v1(74.5,77.3) v1(105.6,77.3)
DIGITAL_OUTPUT12: P3.7 U2.88 | length 66.6
  Top Layer w0.254: v1(64.2,70.4) 64.23,70.37 64.23,57.07 P3.7@64.3,57 ; v1(104.396,76.49) 104.21,76.49 104.2,76.5 104.396,76.5 106.2,76.5 106.7,77 U2.88@111.349,77
  Bottom Layer w0.254: v1(64.2,70.4) 64.2,75.4 65.29,76.49 v1(104.396,76.49)